# Altium PCB 27-mitosis.PcbDoc (part 2 of 2)
Units mm, origin at the board's own origin, x right, y up, seen from the top; angles counter-clockwise.
Board outline 134.15 x 115.33 mm, 2 copper layers (Top Layer, Bottom Layer), stack 1.671 mm thick; 32 components, 34 nets, 456 pads, 4 vias.
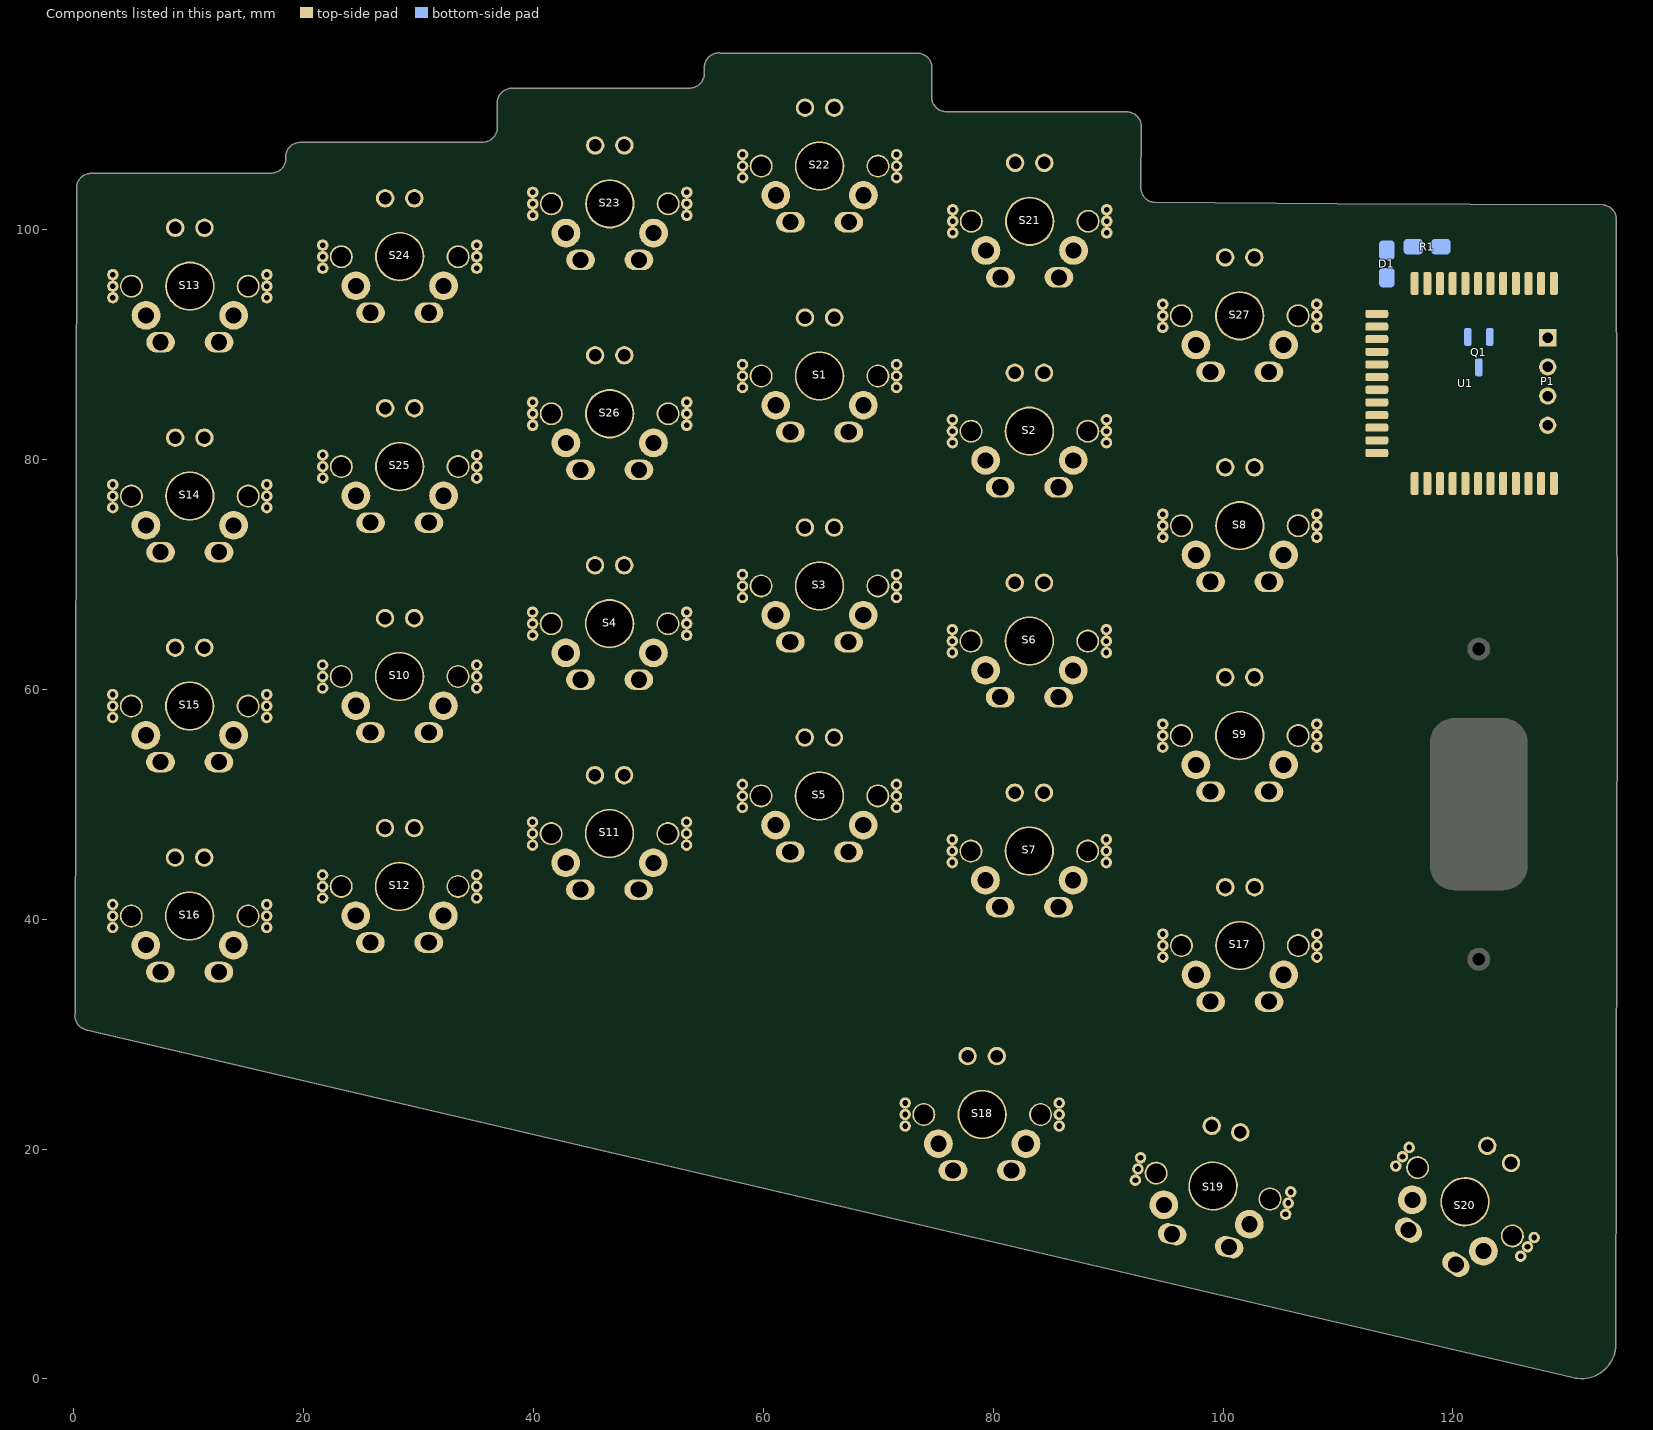
[diagram p2: the components of this part, seen from the top]

## Keep-outs
Keep-Out Layer:
  lines w0.1: 94.25,25.066 ccw(c94.161,24.676) 93.771,24.764 ; 0.133,31.726 ccw(c1.396,31.598) 1.051,30.376 ; 0.133,31.726 ccw(c1.396,31.598) 1.051,30.376 ; 0.133,31.726 0.268,103.734 ; 0.133,31.726 0.268,103.734 ; 0.268,103.734 cw(c1.532,103.606) 1.66,104.869 ; 0.268,103.734 cw(c1.532,103.606) 1.66,104.869 ; 1.051,30.376 130.347,0.137 ; 1.051,30.376 130.347,0.137 ; 1.66,104.869 17.076,104.899 ; 1.66,104.869 17.076,104.899 ; 3.103,33.672 ccw(c3.503,33.672) 3.503,33.272 ; 3.103,33.672 ccw(c3.503,33.672) 3.503,33.272 ; 3.103,33.672 3.103,38.072 ; 3.103,33.672 3.103,38.072 ; 3.103,38.072 cw(c3.503,38.072) 3.903,38.072 ; 3.103,38.072 cw(c3.503,38.072) 3.903,38.072 ; 3.103,42.472 ccw(c3.503,42.472) 3.903,42.472 ; 3.103,42.472 ccw(c3.503,42.472) 3.903,42.472 ; 3.103,42.472 3.103,46.872 ; 3.103,42.472 3.103,46.872 ; 3.103,46.872 cw(c3.503,46.872) 3.503,47.272 ; 3.103,46.872 cw(c3.503,46.872) 3.503,47.272 ; 3.109,51.935 ccw(c3.509,51.935) 3.509,51.535 ; 3.109,51.935 ccw(c3.509,51.935) 3.509,51.535 ; 3.109,51.935 3.109,56.335 ; 3.109,51.935 3.109,56.335 ; 3.109,56.335 cw(c3.509,56.335) 3.909,56.335 ; 3.109,56.335 cw(c3.509,56.335) 3.909,56.335 ; 3.109,60.735 ccw(c3.509,60.735) 3.909,60.735 ; 3.109,60.735 ccw(c3.509,60.735) 3.909,60.735 ; 3.109,60.735 3.109,65.135 ; 3.109,60.735 3.109,65.135 ; 3.109,65.135 cw(c3.509,65.135) 3.509,65.535 ; 3.109,65.135 cw(c3.509,65.135) 3.509,65.535 ; 3.114,70.198 ccw(c3.514,70.198) 3.514,69.798 ; 3.114,70.198 ccw(c3.514,70.198) 3.514,69.798 ; 3.114,70.198 3.114,74.598 ; 3.114,70.198 3.114,74.598 ; 3.114,74.598 cw(c3.514,74.598) 3.914,74.598 ; 3.114,74.598 cw(c3.514,74.598) 3.914,74.598 ; 3.114,78.998 ccw(c3.514,78.998) 3.914,78.998 ; 3.114,78.998 ccw(c3.514,78.998) 3.914,78.998 ; 3.114,78.998 3.114,83.398 ; 3.114,78.998 3.114,83.398 ; 3.114,83.398 cw(c3.514,83.398) 3.514,83.798 ; 3.114,83.398 cw(c3.514,83.398) 3.514,83.798 ; 3.12,88.461 ccw(c3.52,88.461) 3.52,88.061 ; 3.12,88.461 ccw(c3.52,88.461) 3.52,88.061 ; 3.12,88.461 3.12,92.861 ; 3.12,88.461 3.12,92.861 ; 3.12,92.861 cw(c3.52,92.861) 3.92,92.861 ; 3.12,92.861 cw(c3.52,92.861) 3.92,92.861 ; 3.12,97.261 ccw(c3.52,97.261) 3.92,97.261 ; 3.12,97.261 ccw(c3.52,97.261) 3.92,97.261 ; 3.12,97.261 3.12,101.661 ; 3.12,97.261 3.12,101.661 ; 3.12,101.661 cw(c3.52,101.661) 3.52,102.061 ; 3.12,101.661 cw(c3.52,101.661) 3.52,102.061 ; 3.503,33.272 16.703,33.272 ; 3.503,33.272 16.703,33.272 ; 3.503,47.272 16.703,47.272 ; 3.503,47.272 16.703,47.272 ; 3.509,51.535 16.709,51.535 ; 3.509,51.535 16.709,51.535 ; 3.509,65.535 16.709,65.535 ; 3.509,65.535 16.709,65.535 ; 3.514,69.798 16.714,69.798 ; 3.514,69.798 16.714,69.798 ; 3.514,83.798 16.714,83.798 ; 3.514,83.798 16.714,83.798 ; 3.52,88.061 16.72,88.061 ; 3.52,88.061 16.72,88.061 ; 3.52,102.061 16.72,102.061 ; 3.52,102.061 16.72,102.061 ; 3.903,34.072 3.903,38.072 ; 3.903,34.072 3.903,34.072 ; 3.903,34.072 16.303,34.072 ; 3.903,34.072 3.903,38.072 ; 3.903,34.072 16.303,34.072 ; 3.903,42.472 3.903,46.472 ; 3.903,42.472 3.903,46.472 ; 3.903,46.472 3.903,46.472 ; 3.903,46.472 16.303,46.472 ; 3.903,46.472 16.303,46.472 ; 3.909,52.335 3.909,56.335 ; 3.909,52.335 3.909,52.335 ; 3.909,52.335 16.309,52.335 ; 3.909,52.335 3.909,56.335 ; 3.909,52.335 16.309,52.335 ; 3.909,60.735 3.909,64.735 ; 3.909,60.735 3.909,64.735 ; 3.909,64.735 3.909,64.735 ; 3.909,64.735 16.309,64.735 ; 3.909,64.735 16.309,64.735 ; 3.914,70.598 3.914,74.598 ; 3.914,70.598 3.914,70.598 ; 3.914,70.598 16.314,70.598 ; 3.914,70.598 3.914,74.598 ; 3.914,70.598 16.314,70.598 ; 3.914,78.998 3.914,82.998 ; 3.914,78.998 3.914,82.998 ; 3.914,82.998 3.914,82.998 ; 3.914,82.998 16.314,82.998 ; 3.914,82.998 16.314,82.998 ; 3.92,88.861 3.92,92.861 ; 3.92,88.861 3.92,88.861 ; 3.92,88.861 16.32,88.861 ; 3.92,88.861 3.92,92.861 ; 3.92,88.861 16.32,88.861 ; 3.92,97.261 3.92,101.261 ; 3.92,97.261 3.92,101.261 ; 3.92,101.261 3.92,101.261 ; 3.92,101.261 16.32,101.261 ; 3.92,101.261 16.32,101.261 ; 16.303,34.072 16.303,34.072 ; 16.303,34.072 16.303,38.072 ; 16.303,34.072 16.303,38.072 ; 16.303,38.072 cw(c16.703,38.072) 17.103,38.072 ; 16.303,38.072 cw(c16.703,38.072) 17.103,38.072 ; 16.303,42.472 ccw(c16.703,42.472) 17.103,42.472 ; 16.303,42.472 ccw(c16.703,42.472) 17.103,42.472 ; 16.303,42.472 16.303,46.472 ; 16.303,42.472 16.303,46.472 ; 16.303,46.472 16.303,46.472 ; 16.309,52.335 16.309,52.335 ; 16.309,52.335 16.309,56.335 ; 16.309,52.335 16.309,56.335 ; 16.309,56.335 cw(c16.709,56.335) 17.109,56.335 ; 16.309,56.335 cw(c16.709,56.335) 17.109,56.335 ; 16.309,60.735 ccw(c16.709,60.735) 17.109,60.735 ; 16.309,60.735 ccw(c16.709,60.735) 17.109,60.735 ; 16.309,60.735 16.309,64.735 ; 16.309,60.735 16.309,64.735 ; 16.309,64.735 16.309,64.735 ; 16.314,70.598 16.314,70.598 ; 16.314,70.598 16.314,74.598 ; 16.314,70.598 16.314,74.598 ; 16.314,74.598 cw(c16.714,74.598) 17.114,74.598 ; 16.314,74.598 cw(c16.714,74.598) 17.114,74.598 ; 16.314,78.998 ccw(c16.714,78.998) 17.114,78.998 ; 16.314,78.998 ccw(c16.714,78.998) 17.114,78.998 ; 16.314,78.998 16.314,82.998 ; 16.314,78.998 16.314,82.998 ; 16.314,82.998 16.314,82.998 ; 16.32,88.861 16.32,88.861 ; 16.32,88.861 16.32,92.861 ; 16.32,88.861 16.32,92.861 ; 16.32,92.861 cw(c16.72,92.861) 17.12,92.861 ; 16.32,92.861 cw(c16.72,92.861) 17.12,92.861 ; 16.32,97.261 ccw(c16.72,97.261) 17.12,97.261 ; 16.32,97.261 ccw(c16.72,97.261) 17.12,97.261 ; 16.32,97.261 16.32,101.261 ; 16.32,97.261 16.32,101.261 ; 16.32,101.261 16.32,101.261 ; 16.703,33.272 ccw(c16.703,33.672) 17.103,33.672 ; 16.703,33.272 ccw(c16.703,33.672) 17.103,33.672 ; 16.703,47.272 cw(c16.703,46.872) 17.103,46.872 ; 16.703,47.272 cw(c16.703,46.872) 17.103,46.872 ; 16.709,51.535 ccw(c16.709,51.935) 17.109,51.935 ; 16.709,51.535 ccw(c16.709,51.935) 17.109,51.935 ; 16.709,65.535 cw(c16.709,65.135) 17.109,65.135 ; 16.709,65.535 cw(c16.709,65.135) 17.109,65.135 ; 16.714,69.798 ccw(c16.714,70.198) 17.114,70.198 ; 16.714,69.798 ccw(c16.714,70.198) 17.114,70.198 ; 16.714,83.798 cw(c16.714,83.398) 17.114,83.398 ; 16.714,83.798 cw(c16.714,83.398) 17.114,83.398 ; 16.72,88.061 ccw(c16.72,88.461) 17.12,88.461 ; 16.72,88.061 ccw(c16.72,88.461) 17.12,88.461 ; 16.72,102.061 cw(c16.72,101.661) 17.12,101.661 ; 16.72,102.061 cw(c16.72,101.661) 17.12,101.661 ; 17.076,104.899 ccw(c17.205,106.163) 18.468,106.034 ; 17.076,104.899 ccw(c17.205,106.163) 18.468,106.034 ; 17.103,33.672 17.103,38.072 ; 17.103,33.672 17.103,38.072 ; 17.103,42.472 17.103,46.872 ; 17.103,42.472 17.103,46.872 ; 17.109,51.935 17.109,56.335 ; 17.109,51.935 17.109,56.335 ; 17.109,60.735 17.109,65.135 ; 17.109,60.735 17.109,65.135 ; 17.114,70.198 17.114,74.598 ; 17.114,70.198 17.114,74.598 ; 17.114,78.998 17.114,83.398 ; 17.114,78.998 17.114,83.398 ; 17.12,88.461 17.12,92.861 ; 17.12,88.461 17.12,92.861 ; 17.12,97.261 17.12,101.661 ; 17.12,97.261 17.12,101.661 ; 18.468,106.034 18.468,106.434 ; 18.468,106.034 18.468,106.434 ; 18.468,106.434 cw(c19.732,106.306) 19.86,107.569 ; 18.468,106.434 cw(c19.732,106.306) 19.86,107.569 ; 19.86,107.569 35.476,107.599 ; 19.86,107.569 35.476,107.599 ; 21.366,36.24 ccw(c21.766,36.24) 21.766,35.84 ; 21.366,36.24 ccw(c21.766,36.24) 21.766,35.84 ; 21.366,36.24 21.366,40.64 ; 21.366,36.24 21.366,40.64 ; 21.366,40.64 cw(c21.766,40.64) 22.166,40.64 ; 21.366,40.64 cw(c21.766,40.64) 22.166,40.64 ; 21.366,45.04 ccw(c21.766,45.04) 22.166,45.04 ; 21.366,45.04 ccw(c21.766,45.04) 22.166,45.04 ; 21.366,45.04 21.366,49.44 ; 21.366,45.04 21.366,49.44 ; 21.366,49.44 cw(c21.766,49.44) 21.766,49.84 ; 21.366,49.44 cw(c21.766,49.44) 21.766,49.84 ; 21.37,54.503 ccw(c21.77,54.503) 21.77,54.103 ; 21.37,54.503 ccw(c21.77,54.503) 21.77,54.103 ; 21.37,54.503 21.37,58.903 ; 21.37,54.503 21.37,58.903 ; 21.37,58.903 cw(c21.77,58.903) 22.17,58.903 ; 21.37,58.903 cw(c21.77,58.903) 22.17,58.903 ; 21.37,63.303 ccw(c21.77,63.303) 22.17,63.303 ; 21.37,63.303 ccw(c21.77,63.303) 22.17,63.303 ; 21.37,63.303 21.37,67.703 ; 21.37,63.303 21.37,67.703 ; 21.37,67.703 cw(c21.77,67.703) 21.77,68.103 ; 21.37,67.703 cw(c21.77,67.703) 21.77,68.103 ; 21.38,72.766 ccw(c21.78,72.766) 21.78,72.366 ; 21.38,72.766 ccw(c21.78,72.766) 21.78,72.366 ; 21.38,72.766 21.38,77.166 ; 21.38,72.766 21.38,77.166 ; 21.38,77.166 cw(c21.78,77.166) 22.18,77.166 ; 21.38,77.166 cw(c21.78,77.166) 22.18,77.166 ; 21.38,81.566 ccw(c21.78,81.566) 22.18,81.566 ; 21.38,81.566 ccw(c21.78,81.566) 22.18,81.566 ; 21.38,81.566 21.38,85.966 ; 21.38,81.566 21.38,85.966 ; 21.38,85.966 cw(c21.78,85.966) 21.78,86.366 ; 21.38,85.966 cw(c21.78,85.966) 21.78,86.366 ; 21.38,91.029 ccw(c21.78,91.029) 21.78,90.629 ; 21.38,91.029 ccw(c21.78,91.029) 21.78,90.629 ; 21.38,91.029 21.38,95.429 ; 21.38,91.029 21.38,95.429 ; 21.38,95.429 cw(c21.78,95.429) 22.18,95.429 ; 21.38,95.429 cw(c21.78,95.429) 22.18,95.429 ; 21.38,99.829 ccw(c21.78,99.829) 22.18,99.829 ; 21.38,99.829 ccw(c21.78,99.829) 22.18,99.829 ; 21.38,99.829 21.38,104.229 ; 21.38,99.829 21.38,104.229 ; 21.38,104.229 cw(c21.78,104.229) 21.78,104.629 ; 21.38,104.229 cw(c21.78,104.229) 21.78,104.629 ; 21.766,35.84 34.966,35.84 ; 21.766,35.84 34.966,35.84 ; 21.766,49.84 34.966,49.84 ; 21.766,49.84 34.966,49.84 ; 21.77,54.103 34.97,54.103 ; 21.77,54.103 34.97,54.103 ; 21.77,68.103 34.97,68.103 ; 21.77,68.103 34.97,68.103 ; 21.78,72.366 34.98,72.366 ; 21.78,72.366 34.98,72.366 ; 21.78,86.366 34.98,86.366 ; 21.78,86.366 34.98,86.366 ; 21.78,90.629 34.98,90.629 ; 21.78,90.629 34.98,90.629 ; 21.78,104.629 34.98,104.629 ; 21.78,104.629 34.98,104.629 ; 22.166,36.64 22.166,40.64 ; 22.166,36.64 22.166,36.64 ; 22.166,36.64 34.566,36.64 ; 22.166,36.64 22.166,40.64 ; 22.166,36.64 34.566,36.64 ; 22.166,45.04 22.166,49.04 ; 22.166,45.04 22.166,49.04 ; 22.166,49.04 22.166,49.04 ; 22.166,49.04 34.566,49.04 ; 22.166,49.04 34.566,49.04 ; 22.17,54.903 22.17,58.903 ; 22.17,54.903 22.17,54.903 ; 22.17,54.903 34.57,54.903 ; 22.17,54.903 22.17,58.903 ; 22.17,54.903 34.57,54.903 ; 22.17,63.303 22.17,67.303 ; 22.17,63.303 22.17,67.303 ; 22.17,67.303 22.17,67.303 ; 22.17,67.303 34.57,67.303 ; 22.17,67.303 34.57,67.303 ; 22.18,73.166 22.18,77.166 ; 22.18,73.166 22.18,73.166 ; 22.18,73.166 34.58,73.166 ; 22.18,73.166 22.18,77.166 ; 22.18,73.166 34.58,73.166 ; 22.18,81.566 22.18,85.566 ; 22.18,81.566 22.18,85.566 ; 22.18,85.566 22.18,85.566 ; 22.18,85.566 34.58,85.566 ; 22.18,85.566 34.58,85.566 ; 22.18,91.429 22.18,95.429 ; 22.18,91.429 22.18,91.429 ; 22.18,91.429 34.58,91.429 ; 22.18,91.429 22.18,95.429 ; 22.18,91.429 34.58,91.429 ; 22.18,99.829 22.18,103.829 ; 22.18,99.829 22.18,103.829 ; 22.18,103.829 22.18,103.829 ; 22.18,103.829 34.58,103.829 ; 22.18,103.829 34.58,103.829 ; 34.566,36.64 34.566,36.64 ; 34.566,36.64 34.566,40.64 ; 34.566,36.64 34.566,40.64 ; 34.566,40.64 cw(c34.966,40.64) 35.366,40.64 ; 34.566,40.64 cw(c34.966,40.64) 35.366,40.64 ; 34.566,45.04 ccw(c34.966,45.04) 35.366,45.04 ; 34.566,45.04 ccw(c34.966,45.04) 35.366,45.04 ; 34.566,45.04 34.566,49.04 ; 34.566,45.04 34.566,49.04 ; 34.566,49.04 34.566,49.04 ; 34.57,54.903 34.57,54.903 ; 34.57,54.903 34.57,58.903 ; 34.57,54.903 34.57,58.903 ; 34.57,58.903 cw(c34.97,58.903) 35.37,58.903 ; 34.57,58.903 cw(c34.97,58.903) 35.37,58.903 ; 34.57,63.303 ccw(c34.97,63.303) 35.37,63.303 ; 34.57,63.303 ccw(c34.97,63.303) 35.37,63.303 ; 34.57,63.303 34.57,67.303 ; 34.57,63.303 34.57,67.303 ; 34.57,67.303 34.57,67.303 ; 34.58,73.166 34.58,73.166 ; 34.58,73.166 34.58,77.166 ; 34.58,73.166 34.58,77.166 ; 34.58,77.166 cw(c34.98,77.166) 35.38,77.166 ; 34.58,77.166 cw(c34.98,77.166) 35.38,77.166 ; 34.58,81.566 ccw(c34.98,81.566) 35.38,81.566 ; 34.58,81.566 ccw(c34.98,81.566) 35.38,81.566 ; 34.58,81.566 34.58,85.566 ; 34.58,81.566 34.58,85.566 ; 34.58,85.566 34.58,85.566 ; 34.58,91.429 34.58,91.429 ; 34.58,91.429 34.58,95.429 ; 34.58,91.429 34.58,95.429 ; 34.58,95.429 cw(c34.98,95.429) 35.38,95.429 ; 34.58,95.429 cw(c34.98,95.429) 35.38,95.429 ; 34.58,99.829 ccw(c34.98,99.829) 35.38,99.829 ; 34.58,99.829 ccw(c34.98,99.829) 35.38,99.829 ; 34.58,99.829 34.58,103.829 ; 34.58,99.829 34.58,103.829 ; 34.58,103.829 34.58,103.829 ; 34.966,35.84 ccw(c34.966,36.24) 35.366,36.24 ; 34.966,35.84 ccw(c34.966,36.24) 35.366,36.24 ; 34.966,49.84 cw(c34.966,49.44) 35.366,49.44 ; 34.966,49.84 cw(c34.966,49.44) 35.366,49.44 ; 34.97,54.103 ccw(c34.97,54.503) 35.37,54.503 ; 34.97,54.103 ccw(c34.97,54.503) 35.37,54.503 ; 34.97,68.103 cw(c34.97,67.703) 35.37,67.703 ; 34.97,68.103 cw(c34.97,67.703) 35.37,67.703 ; 34.98,72.366 ccw(c34.98,72.766) 35.38,72.766 ; 34.98,72.366 ccw(c34.98,72.766) 35.38,72.766 ; 34.98,86.366 cw(c34.98,85.966) 35.38,85.966 ; 34.98,86.366 cw(c34.98,85.966) 35.38,85.966 ; 34.98,90.629 ccw(c34.98,91.029) 35.38,91.029 ; 34.98,90.629 ccw(c34.98,91.029) 35.38,91.029 ; 34.98,104.629 cw(c34.98,104.229) 35.38,104.229 ; 34.98,104.629 cw(c34.98,104.229) 35.38,104.229 ; 35.366,36.24 35.366,40.64 ; 35.366,36.24 35.366,40.64 ; 35.366,45.04 35.366,49.44 ; 35.366,45.04 35.366,49.44 ; 35.37,54.503 35.37,58.903 ; 35.37,54.503 35.37,58.903 ; 35.37,63.303 35.37,67.703 ; 35.37,63.303 35.37,67.703 ; 35.38,72.766 35.38,77.166 ; 35.38,72.766 35.38,77.166 ; 35.38,81.566 35.38,85.966 ; 35.38,81.566 35.38,85.966 ; 35.38,91.029 35.38,95.429 ; 35.38,91.029 35.38,95.429 ; 35.38,99.829 35.38,104.229 ; 35.38,99.829 35.38,104.229 ; 35.476,107.599 ccw(c35.605,108.863) 36.868,108.734 ; 35.476,107.599 ccw(c35.605,108.863) 36.868,108.734 ; 36.868,108.734 36.868,111.134 ; 36.868,108.734 36.868,111.134 ; 36.868,111.134 cw(c38.132,111.006) 38.26,112.269 ; 36.868,111.134 cw(c38.132,111.006) 38.26,112.269 ; 38.26,112.269 53.476,112.299 ; 38.26,112.269 53.476,112.299 ; 39.63,40.837 ccw(c40.03,40.837) 40.03,40.437 ; 39.63,40.837 ccw(c40.03,40.837) 40.03,40.437 ; 39.63,40.837 39.63,45.237 ; 39.63,40.837 39.63,45.237 ; 39.63,45.237 cw(c40.03,45.237) 40.43,45.237 ; 39.63,45.237 cw(c40.03,45.237) 40.43,45.237 ; 39.63,49.637 ccw(c40.03,49.637) 40.43,49.637 ; 39.63,49.637 ccw(c40.03,49.637) 40.43,49.637 ; 39.63,49.637 39.63,54.037 ; 39.63,49.637 39.63,54.037 ; 39.63,54.037 cw(c40.03,54.037) 40.03,54.437 ; 39.63,54.037 cw(c40.03,54.037) 40.03,54.437 ; 39.64,59.1 ccw(c40.04,59.1) 40.04,58.7 ; 39.64,59.1 ccw(c40.04,59.1) 40.04,58.7 ; 39.64,59.1 39.64,63.5 ; 39.64,59.1 39.64,63.5 ; 39.64,63.5 cw(c40.04,63.5) 40.44,63.5 ; 39.64,63.5 cw(c40.04,63.5) 40.44,63.5 ; 39.64,67.9 ccw(c40.04,67.9) 40.44,67.9 ; 39.64,67.9 ccw(c40.04,67.9) 40.44,67.9 ; 39.64,67.9 39.64,72.3 ; 39.64,67.9 39.64,72.3 ; 39.64,72.3 cw(c40.04,72.3) 40.04,72.7 ; 39.64,72.3 cw(c40.04,72.3) 40.04,72.7 ; 39.645,77.363 ccw(c40.045,77.363) 40.045,76.963 ; 39.645,77.363 ccw(c40.045,77.363) 40.045,76.963 ; 39.645,77.363 39.645,81.763 ; 39.645,77.363 39.645,81.763 ; 39.645,81.763 cw(c40.045,81.763) 40.445,81.763 ; 39.645,81.763 cw(c40.045,81.763) 40.445,81.763 ; 39.645,86.163 ccw(c40.045,86.163) 40.445,86.163 ; 39.645,86.163 ccw(c40.045,86.163) 40.445,86.163 ; 39.645,86.163 39.645,90.563 ; 39.645,86.163 39.645,90.563 ; 39.645,90.563 cw(c40.045,90.563) 40.045,90.963 ; 39.645,90.563 cw(c40.045,90.563) 40.045,90.963 ; 39.651,95.626 ccw(c40.051,95.626) 40.051,95.226 ; 39.651,95.626 ccw(c40.051,95.626) 40.051,95.226 ; 39.651,95.626 39.651,100.026 ; 39.651,95.626 39.651,100.026 ; 39.651,100.026 cw(c40.051,100.026) 40.451,100.026 ; 39.651,100.026 cw(c40.051,100.026) 40.451,100.026 ; 39.651,104.426 ccw(c40.051,104.426) 40.451,104.426 ; 39.651,104.426 ccw(c40.051,104.426) 40.451,104.426 ; 39.651,104.426 39.651,108.826 ; 39.651,104.426 39.651,108.826 ; 39.651,108.826 cw(c40.051,108.826) 40.051,109.226 ccw(c40.051,108.826) 39.651,108.826 ; 40.03,40.437 53.23,40.437 ; 40.03,40.437 53.23,40.437 ; 40.03,54.437 53.23,54.437 ; 40.03,54.437 53.23,54.437 ; 40.04,58.7 53.24,58.7 ; 40.04,58.7 53.24,58.7 ; 40.04,72.7 53.24,72.7 ; 40.04,72.7 53.24,72.7 ; 40.045,76.963 53.245,76.963 ; 40.045,76.963 53.245,76.963 ; 40.045,90.963 53.245,90.963 ; 40.045,90.963 53.245,90.963 ; 40.051,95.226 53.251,95.226 ; 40.051,95.226 53.251,95.226 ; 40.43,41.237 40.43,45.237 ; 40.43,41.237 40.43,41.237 ; 40.43,41.237 52.83,41.237 ; 40.43,41.237 40.43,45.237 ; 40.43,41.237 52.83,41.237 ; 40.43,49.637 40.43,53.637 ; 40.43,49.637 40.43,53.637 ; 40.43,53.637 40.43,53.637 ; 40.43,53.637 52.83,53.637 ; 40.43,53.637 52.83,53.637 ; 40.44,59.5 40.44,63.5 ; 40.44,59.5 40.44,59.5 ; 40.44,59.5 52.84,59.5 ; 40.44,59.5 40.44,63.5 ; 40.44,59.5 52.84,59.5 ; 40.44,67.9 40.44,71.9 ; 40.44,67.9 40.44,71.9 ; 40.44,71.9 40.44,71.9 ; 40.44,71.9 52.84,71.9 ; 40.44,71.9 52.84,71.9 ; 40.445,77.763 40.445,81.763 ; 40.445,77.763 40.445,77.763 ; 40.445,77.763 52.845,77.763 ; 40.445,77.763 40.445,81.763 ; 40.445,77.763 52.845,77.763 ; 40.445,86.163 40.445,90.163 ; 40.445,86.163 40.445,90.163 ; 40.445,90.163 40.445,90.163 ; 40.445,90.163 52.845,90.163 ; 40.445,90.163 52.845,90.163 ; 40.451,96.026 40.451,100.026 ; 40.451,96.026 40.451,96.026 ; 40.451,96.026 52.851,96.026 ; 40.451,96.026 40.451,100.026 ; 40.451,96.026 52.851,96.026 ; 40.451,104.426 40.451,108.426 ; 40.451,104.426 40.451,108.426 ; 40.451,108.426 40.451,108.426 ; 40.451,108.426 52.851,108.426 ; 40.451,108.426 52.851,108.426 ; 52.83,41.237 52.83,41.237 ; 52.83,41.237 52.83,45.237 ; 52.83,41.237 52.83,45.237 ; 52.83,45.237 cw(c53.23,45.237) 53.63,45.237 ; 52.83,45.237 cw(c53.23,45.237) 53.63,45.237 ; 52.83,49.637 ccw(c53.23,49.637) 53.63,49.637 ; 52.83,49.637 ccw(c53.23,49.637) 53.63,49.637 ; 52.83,49.637 52.83,53.637 ; 52.83,49.637 52.83,53.637 ; 52.83,53.637 52.83,53.637 ; 52.84,59.5 52.84,59.5 ; 52.84,59.5 52.84,63.5 ; 52.84,59.5 52.84,63.5 ; 52.84,63.5 cw(c53.24,63.5) 53.64,63.5 ; 52.84,63.5 cw(c53.24,63.5) 53.64,63.5 ; 52.84,67.9 ccw(c53.24,67.9) 53.64,67.9 ; 52.84,67.9 ccw(c53.24,67.9) 53.64,67.9 ; 52.84,67.9 52.84,71.9 ; 52.84,67.9 52.84,71.9 ; 52.84,71.9 52.84,71.9 ; 52.845,77.763 52.845,77.763 ; 52.845,77.763 52.845,81.763 ; 52.845,77.763 52.845,81.763 ; 52.845,81.763 cw(c53.245,81.763) 53.645,81.763 ; 52.845,81.763 cw(c53.245,81.763) 53.645,81.763 ; 52.845,86.163 ccw(c53.245,86.163) 53.645,86.163 ; 52.845,86.163 ccw(c53.245,86.163) 53.645,86.163 ; 52.845,86.163 52.845,90.163 ; 52.845,86.163 52.845,90.163 ; 52.845,90.163 52.845,90.163 ; 52.851,96.026 52.851,96.026 ; 52.851,96.026 52.851,100.026 ; 52.851,96.026 52.851,100.026 ; 52.851,100.026 cw(c53.251,100.026) 53.651,100.026 ; 52.851,100.026 cw(c53.251,100.026) 53.651,100.026 ; 52.851,104.426 ccw(c53.251,104.426) 53.651,104.426 ; 52.851,104.426 ccw(c53.251,104.426) 53.651,104.426 ; 52.851,104.426 52.851,108.426 ; 52.851,104.426 52.851,108.426 ; 52.851,108.426 52.851,108.426 ; 53.23,40.437 ccw(c53.23,40.837) 53.63,40.837 ; 53.23,40.437 ccw(c53.23,40.837) 53.63,40.837 ; 53.23,54.437 cw(c53.23,54.037) 53.63,54.037 ; 53.23,54.437 cw(c53.23,54.037) 53.63,54.037 ; 53.24,58.7 ccw(c53.24,59.1) 53.64,59.1 ; 53.24,58.7 ccw(c53.24,59.1) 53.64,59.1 ; 53.24,72.7 cw(c53.24,72.3) 53.64,72.3 ; 53.24,72.7 cw(c53.24,72.3) 53.64,72.3 ; 53.245,76.963 ccw(c53.245,77.363) 53.645,77.363 ; 53.245,76.963 ccw(c53.245,77.363) 53.645,77.363 ; 53.245,90.963 cw(c53.245,90.563) 53.645,90.563 ; 53.245,90.963 cw(c53.245,90.563) 53.645,90.563 ; 53.251,95.226 ccw(c53.251,95.626) 53.651,95.626 ; 53.251,95.226 ccw(c53.251,95.626) 53.651,95.626 ; 53.476,112.299 ccw(c53.605,113.563) 54.868,113.434 ; 53.476,112.299 ccw(c53.605,113.563) 54.868,113.434 ; 53.63,40.837 53.63,45.237 ; 53.63,40.837 53.63,45.237 ; 53.63,49.637 53.63,54.037 ; 53.63,49.637 53.63,54.037 ; 53.64,59.1 53.64,63.5 ; 53.64,59.1 53.64,63.5 ; 53.64,67.9 53.64,72.3 ; 53.64,67.9 53.64,72.3 ; 53.645,77.363 53.645,81.763 ; 53.645,77.363 53.645,81.763 ; 53.645,86.163 53.645,90.563 ; 53.645,86.163 53.645,90.563 ; 53.651,95.626 53.651,100.026 ; 53.651,95.626 53.651,100.026 ; 53.651,104.426 53.651,108.826 ; 53.651,104.426 53.651,108.826 ; 53.651,108.826 ccw(c53.251,108.826) 53.251,109.226 cw(c53.251,108.826) 53.651,108.826 ; 54.868,113.434 54.883,114.208 ; 54.868,113.434 54.883,114.208 ; 54.883,114.208 cw(c56.146,114.08) 56.274,115.343 ; 54.883,114.208 cw(c56.146,114.08) 56.274,115.343 ; 56.274,115.343 73.542,115.32 ; 56.274,115.343 73.542,115.32 ; 57.889,44.119 ccw(c58.289,44.119) 58.289,43.719 ; 57.889,44.119 ccw(c58.289,44.119) 58.289,43.719 